# Altium PCB RelayTester.PcbDoc (part 1 of 2) (continued)
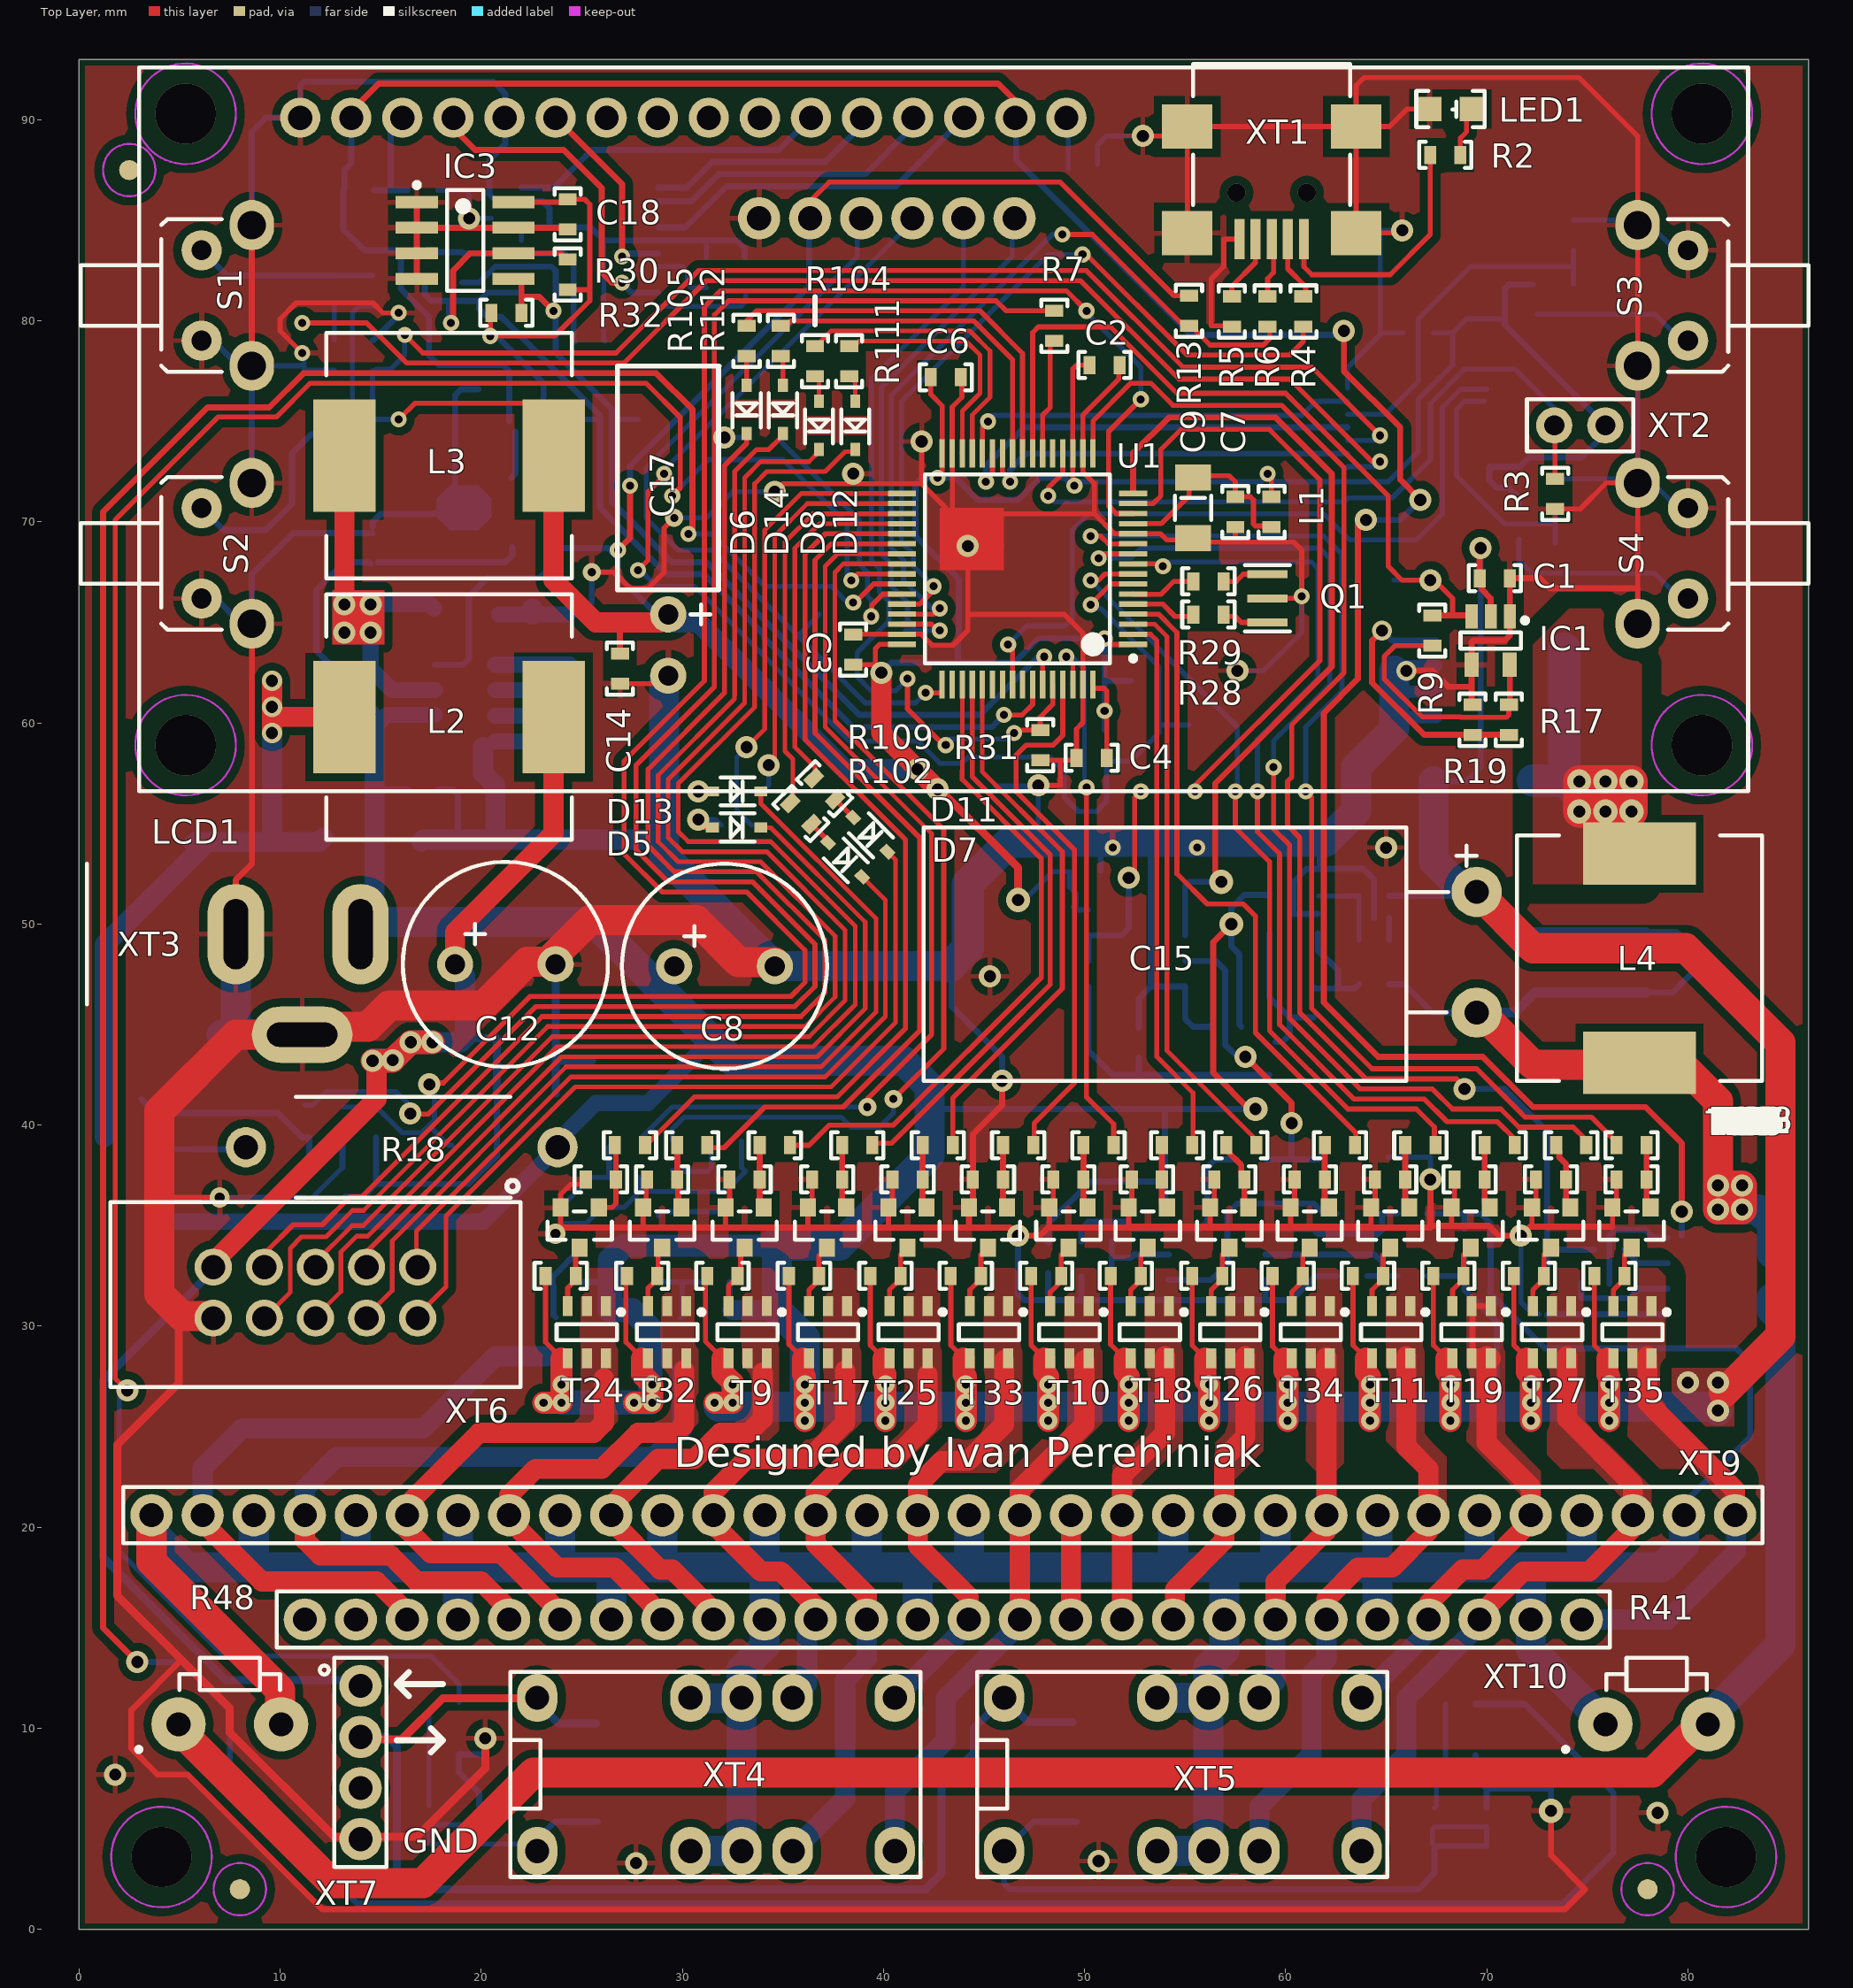
[diagram p0: Top Layer view]
## Part data (continued)
R13: library part CRCW06031K50JNTABC, "RES SMD 1K5 OHM 5% 1/10W 0603", Package / Case="0603 (1608 Metric)", Category=Resistors, Manufacturer Part Number=CRCW06031K50JNTABC
R18: library part 2WT-150OHM, "RES THT 150 OHM 5% 2W", Category=Resistors, Manufacturer Part Number=2WT-150OHM
R21 R25: library part CRCW06033K30FKTABC, "RES SMD 3.3K OHM 1% 1/10W 0603", Package / Case="0603 (1608 Metric)", Category=Resistors, Manufacturer Part Number=CRCW06033K30FKTABC
R22 R23 R26 R27: library part ERJ-8GEYJ102V, "RES SMD 1K OHM 5% 1/4W 1206", Package / Case="1206 (3216 Metric)", Category=Resistors, ComponentLink1Description=https://industrial.panasonic.com/cdbs/www-data/pdf/RDA0000/AOA0000C304.pdf, ComponentLink1URL=https://industrial.panasonic.com/cdbs/www-data/pdf/RDA0000/AOA0000C304.pdf, ComponentLink2Description=http://industrial.panasonic.com/www-cgi/jvcr13pz.cgi?E+PZ+3+AOA0005+ERJS03J101V+7+WW, ComponentLink2URL=http://industrial.panasonic.com/www-cgi/jvcr13pz.cgi?E+PZ+3+AOA0005+ERJS03J101V+7+WW, Manufacturer Part Number=ERJ-8GEYJ102V
R28: library part CRCW06030000Z0EA, "RES SMD 0 OHM JUMPER 1/10W 0603", Package / Case="0603 (1608 Metric)", Category=Resistors, Manufacturer Part Number=CRCW06030000Z0EA
R29: library part ERJ-3GEYJ221V, "RES SMD 220 OHM 5% 1/10W 0603", Package / Case="0603 (1608 Metric)", Category=Resistors, ComponentLink1Description=https://industrial.panasonic.com/cdbs/www-data/pdf/RDA0000/AOA0000C304.pdf, ComponentLink1URL=https://industrial.panasonic.com/cdbs/www-data/pdf/RDA0000/AOA0000C304.pdf, ComponentLink2Description=http://industrial.panasonic.com/www-cgi/jvcr13pz.cgi?E+PZ+3+AOA0005+ERJS03J101V+7+WW, ComponentLink2URL=http://industrial.panasonic.com/www-cgi/jvcr13pz.cgi?E+PZ+3+AOA0005+ERJS03J101V+7+WW, ComponentLink3Description=https://industrial.panasonic.com/cdbs/www-data/pdf/RDO0000/AOA0000C331.pdf, ComponentLink3URL=https://industrial.panasonic.com/cdbs/www-data/pdf/RDO0000/AOA0000C331.pdf, Manufacturer Part Number=ERJ-3GEYJ221V
R33 R34 R35 R36 R51 R52 R53 R54 R67 R68 R69 R70 R83 R84 R85 R86 R101 R106: library part RC0603JR-07150RL, "RES SMD 150 OHM 5% 1/10W 0603", Package / Case="0603 (1608 Metric)", Category=Resistors, Manufacturer Part Number=RC0603JR-07150RL
R41 R48: library part RTO050F4R700JTE3, "RES 4.7 OHM 50W 5% AXIAL", Package / Case=Axial, Category=Resistors, Manufacturer Part Number=RTO050F4R700JTE3
R55: library part ERJ-8GEYJ100V, "RES SMD 10 OHM 5% 1/4W 1206", Package / Case="1206 (3216 Metric)", Category=Resistors, ComponentLink1Description=https://industrial.panasonic.com/cdbs/www-data/pdf/RDA0000/AOA0000C304.pdf, ComponentLink1URL=https://industrial.panasonic.com/cdbs/www-data/pdf/RDA0000/AOA0000C304.pdf, ComponentLink2Description=http://industrial.panasonic.com/www-cgi/jvcr13pz.cgi?E+PZ+3+AOA0005+ERJS03J101V+7+WW, ComponentLink2URL=http://industrial.panasonic.com/www-cgi/jvcr13pz.cgi?E+PZ+3+AOA0005+ERJS03J101V+7+WW, Manufacturer Part Number=ERJ-8GEYJ100V
R61: library part ERA-3AEB203V, "RES SMD 20K OHM 0.1% 1/10W 0603", Package / Case="0603 (1608 Metric)", Category=Resistors, ComponentLink1Description=https://industrial.panasonic.com/cdbs/www-data/pdf/RDA0000/AOA0000C304.pdf, ComponentLink1URL=https://industrial.panasonic.com/cdbs/www-data/pdf/RDA0000/AOA0000C304.pdf, ComponentLink2Description=https://industrial.panasonic.com/cdbs/www-data/pdf/RDM0000/AOA0000C307.pdf, ComponentLink2URL=https://industrial.panasonic.com/cdbs/www-data/pdf/RDM0000/AOA0000C307.pdf, Manufacturer Part Number=ERA-3AEB203V
R102 R103 R104 R105 R109 R110 R111 R112: library part ERJ-3GEYJ121V, "RES SMD 120 OHM 5% 1/10W 0603", Package / Case="0603 (1608 Metric)", Category=Resistors, ComponentLink3Description=https://industrial.panasonic.com/cdbs/www-data/pdf/RDO0000/AOA0000C331.pdf, ComponentLink3URL=https://industrial.panasonic.com/cdbs/www-data/pdf/RDO0000/AOA0000C331.pdf, Manufacturer Part Number=ERJ-3GEYJ121V
R107: library part CRCW06032K00FKTABC, "RES SMD 2K OHM 1% 1/10W 0603", Package / Case="0603 (1608 Metric)", Category=Resistors, Manufacturer Part Number=CRCW06032K00FKTABC
R117: library part ERJ-3GEYJ511V, "RES SMD 510 OHM 5% 1/10W 0603", Package / Case="0603 (1608 Metric)", Category=Resistors, Manufacturer Part Number=ERJ-3GEYJ511V
S1 S2 S3 S4: "SWITCH TACTILE HOR SPST-NO 0.05A 12V", Category=Switches, Manufacturer Part Number=1301.9503
T1 T4 T5 T6 T7 T12 T13 T14 T15 T20 T21 T22 T23 T28 T29 T30 T31: library part IRLML2402TRPBF, "MOSFET N-CH 20V 1.2A SOT-23", Package / Case="TO-236-3, SC-59, SOT-23-3", Category="Discrete Semiconductor Products", Manufacturer Part Number=IRLML2402TRPBF
T2: "MOSFET N-CH 30V 11A 8-SOIC", Package / Case=SOT-23-6, Category="Discrete Semiconductor Products", Manufacturer Part Number=STS11NF30L
T3 T8 T9 T10 T11 T16 T17 T18 T19 T24 T25 T26 T27 T32 T33 T34 T35: library part BSL207SPH6327XTSA1, "MOSFET P-CH 20V 6A 6TSOP", Package / Case="SOT-23-6 Thin, TSOT-23-6", Category="Discrete Semiconductor Products", Manufacturer Part Number=BSL207SPH6327XTSA1
T36 T37: "MOSFET N-CH 30V 8.2A 6TSOP", Manufacturer Part Number=IRFTS8342TRPBF, Package / Case=SOT-23-6, Category="Discrete Semiconductor Products"
U1: "IC MCU 32BIT 256KB FLASH 64LQFP", Package / Case=64-LQFP, Category="Integrated Circuits (ICs)", Manufacturer Part Number=STM32F103RCT6
XT1: "CONN RECEPT MINI USB2.0 5POS", Category="Connectors, Interconnects", Manufacturer Part Number=UX60-MB-5ST
XT2: "SIL VERTICAL PC TAIL PIN HEADER", Manufacturer Part Number=M20-9990246, Category="Connectors, Interconnects"
XT3: "SIL VERTICAL PC TAIL PIN HEADER", Manufacturer Part Number=FC68148, Category="Connectors, Interconnects"
XT4 XT5: "REL SOCKET UNI 7.62x2.54 PITCH"
XT6: "DIL VERTICAL PC TAIL PIN HEADER", Manufacturer Part Number=67997-410HLF, Category="Connectors, Interconnects"
XT7: "CONN HEADER 4POS .100 STR TIN", Manufacturer Part Number=68000-404HLF, Category="Connectors, Interconnects"
XT8: "CONN HEADER 6POS .100 STR TIN", Manufacturer Part Number=68000-407HLF, Category="Connectors, Interconnects"
XT9 XT10: "SIL VERTICAL PC TAIL PIN HEADER", Manufacturer Part Number=M20-9990346, Category="Connectors, Interconnects"

## Free pads (board coordinates)
  round 1 smd paste+0 mask+0.5: 2(2.5,87.5) 2(8,2) 2(78,2)
  round 1 smd far side paste+0 mask+0.5: 2(2.5,87.5) 2(8,2) 2(78,2)
  round 1.6 smd far side: 2(5.7,54) 2(17.9,78.2) 2(18.55,39) 2(24.4,75.1) 2(25.9,43.2) 2(27.8,75.1) 2(36.8,65.4) 2(45.9,68.8) 2(52.3,62.1) 2(53.9,56.6) 2(54.9,52.1) 2(55.2,59.9) 2(65.4,67.1)
  round 1.4 smd far side: 2(41.3,64.6)

## Via types
v1: diameter 0.8, hole 0.4, Top Layer to Bottom Layer, tented both sides, 60 vias
v2: diameter 1.1, hole 0.6, Top Layer to Bottom Layer, tented both sides, 53 vias
v3: diameter 0.9, hole 0.4, Top Layer to Bottom Layer, tented both sides, 46 vias
v4: diameter 1.2, hole 0.6, Top Layer to Bottom Layer, tented both sides, 11 vias
v5: diameter 3, hole 3, Top Layer to Bottom Layer, 6 vias
v6: diameter 1, hole 0.6, Top Layer to Bottom Layer, tented both sides, 5 vias
v7: diameter 1.1, hole 0.6, Top Layer to Bottom Layer, tented bottom, 4 vias
v8: diameter 1, hole 0.5, Top Layer to Bottom Layer, tented both sides, 2 vias
v9: diameter 0.9, hole 0.9, Top Layer to Bottom Layer, 2 vias

## Nets (pads, with @x,y where several pads share a name; then routed paths per layer and width w, separated by ;. In a path a pad name is that pad's centre, name@x,y a point inside that pad or via, vN(x,y) a via of type N, cw(c..) or ccw(c..) an arc to the next point about the centre after c; other vN are vias at no path point)
+5V: C27.2 C30.2 C31.2 C32.1 IC5.8 IC6.5 IC7.1 LCD1.2 LCD1.15 pad.2@17.9,78.2 R113.2 R114.2 R118.2 | length 162.9
  Top Layer w0.3: LCD1.2@13.54,90.1 13.54,90.44 14.9,91.8 45.7,91.8 46.6,90.9 46.6,90.14 LCD1.15@46.56,90.1 ; v2(62.9,79.5) 62.9,77.5 65.7,74.7 65.7,72.1 v2(66.7,71.1) ; v2@64.1,70.4 63.6,69.9 63.6,62.2 61.9,60.5 61.9,46.1 64.6,43.4 69.8,43.4 72.3,40.9 77.9,40.9 79.7,39.1 79.7,35.9 v2@79.5,35.7
  Bottom Layer w0.3: LCD1.2@13.54,90.1 13.54,87.84 13.2,87.5 13.2,86.55 R118.2@13.15,86.5 13.15,84.55 14.2,83.5 16,83.5 ; C32.1@21.4,75 21.4,77.5 21.1,77.8 17.9,77.8 17.4,78.3 17.4,80.2 16,81.6 16,83.5 ; IC7.1@21.5,72.2 21.7,72.4 C32.1@21.7,74.5 ; C31.2@24.65,78.979 24.6,79.029 24.6,82.9 24.147,83.353 IC6.5@22,83.353 19.109,83.353 R114.2@19.05,83.412 R113.2@17.272,83.412 17.184,83.5 16,83.5 ; LCD1.15@46.6,89.7 46.6,88 55.3,79.3 v2@63,79.3 ; v2(64,70.1) 65.7,70.1 v2(66.7,71.1) ; C27.2@76.1,32.1 76.1,34.5 76.4,34.8 77.9,34.8 78.295,34.405 IC5.8@79,34.405 ; IC5.8@79.7,34.5 v2(79.7,35.7)
Boot0: R31.1 U1.60 XT8.2 | length 41.3
  Top Layer w0.25: v1(41.2,62.2) 41.2,60.7 v1@42.9,59 ; v1(46.5,59.5) 46.65,59.65 R31.1@47.8,59.65 47.8,60.3 48.421,60.921 U1.60@48.421,61.914
  Bottom Layer w0.25: v1(41.2,62.2) 40.6,61.6 39.4,61.6 38.7,62.3 38.7,63.5 40.275,65.075 40.275,66.05 39.8,66.525 39.8,67.7 39.4,68.1 39.4,77.1 43.98,81.68 XT8.2@43.98,84.38 ; v1(43.1,58.9) 43.1,59 43.3,59.2 46.4,59.2 46.4,59.6 v1@46.5,59.7 ; XT8.2@43.8,84.2 XT8.2@43.98,84.38 ; XT8.2@43.98,85.1 XT8.2@43.98,84.38 ; XT8.2@44.3,84.7 XT8.2@43.98,84.38
BUT1: IC4.2 U1.26 | length 19.3
  Top Layer w0.25: U1.26@45.921,73.414 45.921,72.479 46.3,72.1 v1(46.3,72)
  Bottom Layer w0.3: v1(46.3,72) 46.3,72.6 47.1,73.4 IC4.2@63.075,73.4
BUT2: IC4.4 U1.27 | length 21.1
  Top Layer w0.25: v1(45.1,72) 45.1,72.1 45.421,72.421 U1.27@45.421,73.414
  Bottom Layer w0.3: v1(45.1,72) 45.1,72.8 47,74.7 IC4.4@63.075,74.7
BUT3: IC4.6 U1.28 | length 19.9
  Top Layer w0.25: U1.28@44.921,73.414 44.921,74.721 v1(45.2,75)
  Bottom Layer w0.25: v1@45.2,75.1 45.4,75.3 60.8,75.3 61.5,76 IC4.6@63.075,76
BUT4: IC4.8 U1.56 | length 37.9
  Top Layer w0.25: v1(46.2,63.9) 46.421,63.679 U1.56@46.421,61.914
  Bottom Layer w0.25: v1(46.2,63.9) 47.125,64.825 49.025,64.825 49.4,65.2 49.4,69.6 50.2,70.4 61.9,70.4 63.2,69.1 66.5,69.1 67.8,70.4 67.8,75.7 68.7,76.6 IC4.8@70,76.6
COILSUPPLY: C12.1 C13.2 L2.2 R22.2 R23.2 R24.1 XT6.9 XT7.1 | length 90.2
  Top Layer w1: XT6.9@6.72,33.22 14.8,41.3 14.8,43 v2(14.6,43.2) ; C12.1@18.7,48 18.7,49.6 23.6,54.5 L2.2@23.6,60.3
  Top Layer w1.2: v2(14.6,43.2) v2@15.6,43.2 ; v2(15.6,43.225) v2(16.5,44.125) v2(17.575,44.125)
  Bottom Layer w0.3: C13.2@13.25,36.45 14.15,36.45 14.775,37.075 ; XT7.1@14,12.4 XT7.1@14.4,12 ; R24.1@14.775,39.4 14.775,37.075 ; R23.2@20.775,41.7 20.775,38.475 19.375,37.075 14.775,37.075
  Bottom Layer w0.4: XT6.9@6.62,32.6 6.5,32.6 1.2,27.3 1.2,18.5 7.3,12.4 XT7.1@14,12.4 ; 19.2,44.325 20.775,44.325 R23.2@20.775,41.7
  Bottom Layer w1: v2(17.575,44.125) 19,44.125 19.2,44.325 19.2,47.4 C12.1@18.8,47.8
  Bottom Layer w1.2: v2@14.625,43.225 v2(15.6,43.225) v2(16.5,44.125) v2(17.575,44.125)
COILSUPPLY1: D9.2 D10.2 XT4.10 XT5.10 XT7.2 | length 64
  Top Layer w0.3: XT7.2@14,9.57 XT7.2@14.12,9.45 ; XT4.10@22.77,11.5 XT4.10@22.787,11.517
  Top Layer w0.4: XT7.2@14.12,9.45 16.05,9.45 18.1,11.5 XT4.10@22.77,11.5
  Bottom Layer w0.3: XT4.10@22.213,10.943 XT4.10@22.787,11.517 XT4.10@22.787,11.313
  Bottom Layer w0.4: XT7.2@14,9.57 15.33,9.57 15.8,9.1 15.8,2.8 16.6,2 42.1,2 42.9,2.8 42.9,7.2 44.5,8.8 44.5,10.014 XT5.10@46.003,11.517 47.22,10.3 D10.2@49.4,10.3 ; XT4.10@22.787,11.313 23.86,10.24 D9.2@25.7,10.24
COILVOLTMEAS: pad.2@18.55,39 R24.2 R25.2 U1.14 | length 104
  Top Layer w0.25: v2@17.075,42.1 18.125,42.1 22.425,46.4 35.4,46.4 36.1,47.1 36.1,48.7 33.2,51.6 29,51.6 27.1,53.5 27.1,58.1 31.1,62.1 31.1,80.7 31.9,81.5 49.1,81.5 v1(50.1,80.5) ; U1.14@52.421,70.414 51.586,70.414 51.2,70.8 51.2,74.5 v1(52.8,76.1)
  Bottom Layer w0.25: R25.2@13.15,40.9 14.8,40.9 16.075,39.625 17.05,39.625 17.4,39.975 ; v2(17.425,42.025) 17.675,41.775 17.675,40.25 17.4,39.975 ; pad.2@18.55,39 18.375,39 17.4,39.975 ; v1(50.1,80.5) 50,80.5 52.8,77.7 v1(52.8,76.1)
CURRENTMEAS1: DA2.1 DA2.2 pad.2@54.9,52.1 U1.16 | length 40.5
  Top Layer w0.3: U1.16@52.421,71.5 52.421,73.421 54.2,75.2 59.5,75.2 62.3,72.4 62.3,62.8 56.5,57 56.5,52.4 v4(56.8,52.1)
  Bottom Layer w0.3: DA2.2@55,49.435 DA2.1@55,50.705 55,51.9 55.2,52.1 v4@56.4,52.1
CURRENTMEAS2: R107.2 R108.2 U1.17 | length 70.1
  Top Layer w0.25: U1.17@50.421,73.414 50.421,75.021 52.3,76.9 53.3,76.9 54.4,75.8 59.8,75.8 62.9,72.7 62.9,62.5 60.3,59.9 60.3,57.3 60.1,57.1 60.1,54.9 60.7,54.3 60.7,45.6 64,42.3 68.5,42.3 v2@69.2,41.6
  Bottom Layer w0.3: v2(68.9,41.8) 70.9,41.8 73,39.7 73,33.8 ; R108.2@73,32.15 73,33.8 ; R107.2@75.35,33.8 73,33.8
DM: R4.2 U1.44 | length 38
  Top Layer w0.25: U1.44@40.921,65.914 41.814,65.914 42.5,66.6 v1(42.5,66.8) ; v1@50,83.4 55.1,78.3 60.2,78.3 60.883,78.983 R4.2@60.883,79.718
  Bottom Layer w0.25: v1(42.5,66.8) 41.5,67.8 41.5,68.4 40.9,69 40.9,76 41.5,76.6 48.2,83.3 v1(49.9,83.3)
DP: R6.2 R13.1 U1.45 | length 39
  Top Layer w0.25: U1.45@40.921,65.414 42.514,65.414 v1(42.8,65.7) ; v1(48.9,84.3) 50.4,84.3 54.95,79.75 R13.1@55.2,79.75 55.3,79.75 56.25,78.8 58.9,78.8 59.2,79.1 59.2,79.623 R6.2@59.105,79.718
  Bottom Layer w0.25: v1(42.8,65.7) 42.4,65.7 41,67.1 41,68.1 40.4,68.7 40.4,76.3 48.4,84.3 v1(48.9,84.3)
GND: C1.2 C2.1 C3.1 C4.1 C5.2 C6.1 C7.1 C8.2 C9.2 C10.1 C11.1 C12.2 C13.1 C14.1 C17.2 C18.1 C20.1 C21.1 C22.1 C23.1 C24.1 C25.1 C26.1 C27.1 C28.1 C29.1 C30.1 C31.1 C32.2 D1.1 D2.1 D4.1 DA1.2 DA2.4 DA3.4 IC1.1 IC1.4 IC2.1 IC2.5 IC2.6 IC2.7 IC2.8 IC3.1 IC3.2 IC3.3 IC3.4 IC3.7 IC4.7 IC5.5 IC6.6 IC6.7 IC6.9 IC6.15 IC7.2 LCD1.1 LCD1.5 LED1.2 pad.2@25.9,43.2 pad.2@45.9,68.8 Q1.2 R3.1 R5.2 R14.2 R16.2 R19.1 R21.1 R22.1 R23.1 R25.1 R31.2 R37.1 R38.1 R39.1 R40.1 R50.2 R56.1 R57.1 R58.1 R59.1 R60.1 R71.1 R72.1 R73.1 R74.1 R91.1 R92.1 R93.1 R94.1 R99.2 R100.2 R108.1 R115.1 R116.1 R117.2 R119.1 S1.1 S1.3 S1.4 S2.1 S2.3 S2.4 S3.1 S3.3 S3.4 S4.1 S4.3 S4.4 T1.2 T2.1 T2.2 T2.3 T4.2 T5.2 T6.2 T7.2 T12.2 T13.2 T14.2 T15.2 T20.2 T21.2 T22.2 T23.2 T28.2 T29.2 T30.2 T31.2 T36.3 T37.3 U1.12 U1.18 U1.31 U1.47 U1.63 XT1.5 XT3.1 XT6.10 XT7.4 XT8.6 | length 885.2
  Top Layer w0.25: 4.5,36.9 4,36.4 v8(7,36.4) ; v1(11.1,78.4) 10,79.5 10,80.1 10.8,80.9 14.61,80.9 15.11,80.4 v1(15.9,80.4) ; v8@24,34.9 v8(23.7,34.6) 23.55,34.6 23.95,35 T20.2@23.95,35.9 23.95,36.55 24.45,37.05 R71.1@24.95,37.05 ; v3(25.5,67.5) 26.6,67.5 27.4,66.7 28.3,66.7 29.1,67.5 29.1,69.7 v3(29.6,70.2) ; C14.1@26.9,61.95 C17.2@28.75,61.95 ; 28.05,35 T28.2@28.05,35.9 28.2,36.05 28.2,37.2 R91.1@28.1,37.3 ; 32.15,35 T5.2@32.15,35.9 32.35,36.1 R38.1@32.35,37.3 ; v2(34.6,71.5) 35,71.9 41.9,71.9 ; 36.25,35 T13.2@36.25,35.9 36.45,36.1 R57.1@36.45,37.3 ; C3.1@38.6,64.414 U1.47@40.921,64.414 41.886,64.414 42.425,63.875 43.475,63.875 44.2,64.6 44.2,65.4 ; 40.25,35 T21.2@40.25,35.9 40.45,36.1 R72.1@40.45,37.3 ; v2(41.9,74) 41.9,71.9 ; 43.1,70.7 41.9,71.9 ; C6.1@43.85,77.2 43.9,77.15 43.9,76.2 43.421,75.721 U1.31@43.421,73.414 43.425,73.41 43.425,70.575 44.2,69.8 44.2,65.4 ; 44.2,70.4 50.5,70.4 ; T29.2@44.25,35.9 T29.2@44.45,36.1 ; v2(47.7,56.9) 48.8,56.9 48.8,58.15 ; R31.2@47.8,58.15 48.8,58.15 ; 48.25,35 T6.2@48.25,35.9 48.45,36.1 R39.1@48.45,37.3 ; C2.1@51.7,78 51.7,77.1 49.921,75.321 U1.18@49.921,73.414 49.921,72.479 50.5,71.9 50.5,70.4 ; 52.2,34.95 T14.2@52.2,35.9 52.35,36.05 R58.1@52.35,37.3 ; v2(52.9,89.2) XT1.5@55.109,89.2 ; XT1.5@55.409,84.069 XT1.5@55.109,84.369 XT1.5@55.109,89.2 ; C9.2@55.8,69.6 C9.2@55.4,69.2 ; 56.25,35 T22.2@56.25,35.9 56.45,36.1 R73.1@56.45,37.3 ; R5.2@57.4,79.645 R5.2@57.327,79.718 57.295,79.75 56.3,79.75 56.3,82.086 56.932,82.718 56.932,84.069 XT1.5@57.709,84.069 ; C7.1@57.5,69.75 57.5,69 ; Q1.2@59.1,66.2 60.8,66.2 60.8,68.6 60.4,69 57.5,69 ; 60.25,35 T30.2@60.25,35.9 60.45,36.1 R93.1@60.45,37.3 ; 64.25,34.95 T7.2@64.25,35.9 64.45,36.1 R40.1@64.45,37.3 ; v2(65.8,84.5) 65.669,84.369 XT1.5@63.509,84.369 XT1.5@63.509,89.669 ; LED1.2@67.149,90.536 66.036,90.536 65.169,89.669 XT1.5@63.509,89.669 ; 68.25,35 T15.2@68.25,35.9 68.4,36.05 R59.1@68.4,37.3 ; 72.25,35 T23.2@72.25,35.9 72.45,36.1 R74.1@72.45,37.3 ; R3.1@73.4,70.65 74.65,70.65 75.938,71.938 S4.3@77.51,71.938 77.51,66.7 S4.1@77.51,64.938 ; 76.25,34.95 T31.2@76.25,35.9 76.45,36.1 R94.1@76.45,37.3 ; S3.1@77.51,77.765 S3.3@77.51,84.765 77.51,89.19 74.6,92.1 63.9,92.1 63.509,91.709 XT1.5@63.509,89.669 ; S4.4@80.01,70.688 S4.4@80.506,71.184 ; 44.2,65.4 49,65.4 49.921,64.479 U1.63@49.921,61.914 49.921,60.021 49.6,59.7 49.6,58.27 C4.1@49.604,58.266 49.488,58.15 48.8,58.15 ; 50.5,70.4 51.486,69.414 U1.12@52.421,69.414 53.786,69.414 54.1,69.1 55.3,69.1 C9.2@55.4,69.2 ; XT1.5@55.109,89.2 XT1.5@55.109,89.669 XT1.5@63.509,89.669 ; C9.2@55.4,69.2 55.6,69 57.5,69
  Top Layer w0.3: 5.1,13.4 2.6,10.9 2.6,9 3.9,7.7 5.4,7.7 12.1,1 73.9,1 74.892,1.992 73.2,3.684 v4(73.2,5.9) ; XT3.1@7.8,48.3 8.071,48.729 7.8,49 7.8,52.2 8.6,53 S2.3@8.6,63.7 ; S2.3@8.096,64.938 S2.3@8.127,64.817 ; S1.3@8.596,77.765 S1.1@8.596,84.765 ; IC3.4@16.8,82.095 IC3.3@16.8,83.365 IC3.2@16.8,84.635 ; IC3.1@16.8,85.905 IC3.2@16.8,84.635 ; v8@24,34.9 46.3,34.9 v2(46.7,34.5) 47.8,34.5 48.2,34.9 67.2,34.9 ; C18.1@24.3,84.55 24.215,84.635 IC3.7@21.6,84.635 IC3.2@16.8,84.635 ; 44.25,35 T29.2@44.25,35.9 ; T29.2@44.45,36.1 R92.1@44.45,37.3 44.45,39.55 45.9,41 v2(45.9,42.2) ; 52.2,34.95 64.25,34.95 ; v6@66,62.4 66.2,62.6 67.3,62.6 68.1,61.8 69.25,61.8 ; v2(67.2,37.3) 67.2,35 68.25,35 70.1,35 70.6,34.5 v2(71.7,34.5) 72.15,34.95 76.25,34.95 ; R19.1@69.3,60.91 69.25,60.96 69.25,61.8 ; 77.51,66.7 73.14,66.7 72.64,67.2 C1.2@71.25,67.2 ; 69.25,61.8 IC1.4@69.25,62.9 69.25,64.027 69.323,64.1 70.9,64.1 71.15,64.35 IC1.1@71.15,65.3 C1.2@71.15,67.1 ; C1.2@71.15,67.1 C1.2@71.25,67.2 ; C1.2@71.15,67.1 C1.2@71.15,67.2 C1.2@71.25,67.2
  Top Layer w0.4: 4.97,30 4.97,27.17 1.9,24.1 1.9,16.6 5.1,13.4 7.5,11 7.5,9.8 12.683,4.617 16.817,4.617 20.2,8 v2@20.2,9.2
  Top Layer w1.5: XT6.10@6.5,30.5 5.1,30.5 4,31.6 4,36.4 4,40.7 7.8,44.5 XT3.1@11.1,44.5 12.7,44.5 13.1,44.9 14.375,44.9 15.425,45.95 20.125,45.95 22.3,48.125 23.325,48.125 25.4,50.2 30.7,50.2 32.8,48.1 C8.2@34.6,48.1
  Bottom Layer w0: C8.2@34.2,47.7 C8.2@34.4,47.9
  Bottom Layer w0.25: v8(7,36.4) R14.2@11.225,36.4 ; S1.3@8.596,77.765 11.2,77.765 ; v1(11.1,78.4) 11.2,78.3 11.2,77.765 ; R14.2@11.6,36.4 C13.1@13.1,37.9 ; C23.1@12.7,77.55 11.2,77.55 11.2,77.765 ; R119.1@17.85,86.5 19.2,86.5 19.4,86.3 v2(19.4,85.1) 20.5,85.1 ; 20.6,84.653 IC6.7@22,84.653 IC6.6@22,84.003 ; v8(23.7,34.6) 24.2,35.1 25.2,35.1 26,35.9 27.1,35.9 27.9,36.7 ; 26.1,84.003 26.1,79.029 C31.1@26.15,78.979 ; R37.1@27.85,37.4 27.9,37.35 27.9,36.7 ; v3(29.6,70.2) 31.2,70.2 32.5,71.5 34.5,71.5 34.75,71.75 34.6,71.6 v2(34.6,71.5) ; R116.1@31.2,83.15 31.2,83.903 ; R56.1@32.95,39.2 32.95,37.9 T12.2@33.15,37.7 32.15,36.7 27.9,36.7 ; v2(44.2,68.8) pad.2@45.9,68.8 ; v2(47.7,56.9) 47.7,54.4 48,54.1 ; R117.2@50.65,87.8 50.65,88.75 51.1,89.2 v2(52.9,89.2) ; v2(57.6,62.6) 58.9,62.6 60.8,64.5 v1(60.8,66.3) ; IC4.7@63.075,76.65 63.075,77.675 64.8,79.4 ; D4.1@65.1,38.4 67.2,38.4 v2(67.2,37.3) ; v2(65.8,84.5) 64.7,84.5 64.7,79.4 64.8,79.4 ; C21.1@65.85,79.4 64.8,79.4 ; v2@71.7,34.3 71.7,31.2 72.3,30.6 R108.1@72.6,30.6 ; C26.1@73.406,72.136 77.312,72.136 S4.3@77.51,71.938 S3.1@77.51,77.765 ; C25.1@74.306,85.009 77.266,85.009 S3.3@77.51,84.765 78.135,84.765 79.385,83.515 S3.4@80.01,83.515 ; S4.3@78.489,71.709 S4.4@79.91,70.288
  Bottom Layer w0.3: T1.2@4.9,41.6 4.9,42.2 7.15,44.45 ; S2.4@6.096,66.188 6.812,66.188 8.062,64.938 S2.3@8.596,64.938 8.596,67.396 10.65,69.45 C29.1@14.6,69.45 ; S1.4@6.096,79.015 6.685,79.015 7.935,77.765 S1.3@8.596,77.765 S2.1@8.596,71.938 ; XT3.1@7.8,48.3 XT3.1@8.596,49.096 ; S1.1@8.596,84.765 8.596,89.396 9.3,90.1 LCD1.1@11,90.1 11,91.7 11.2,91.9 20.6,91.9 21.2,91.3 21.2,90.14 LCD1.5@21.16,90.1 21.2,90.06 21.2,88.8 20.4,88 20.4,86.3 20.747,85.953 IC6.9@22,85.953 23.047,85.953 23.4,85.6 23.4,84.653 ; C13.1@13.1,37.9 R25.1@13.1,39.4 ; 14.6,69.75 14.6,70 15,70.4 17.7,70.4 18.5,71.2 ; C24.1@14.6,79.033 14.633,79.033 15.9,80.3 v1(15.9,80.4) ; C10.1@17.85,56.7 18.6,56.7 18.85,56.45 18.85,54.2 ; 18.7,71.4 C32.2@18.7,74.5 18.7,76.3 19,76.6 C30.1@19.85,76.6 ; T36.3@19.9,6.15 19.9,6.8 18.9,7.8 18.9,8.7 R99.2@18.95,8.7 20.2,8.7 v2(20.2,9.5) ; IC6.7@22,84.653 23.4,84.653 ; 24.3,65.4 24.9,65.4 25.5,66 v3(25.5,67.5) ; R115.1@33.1,83.177 33.1,83.6 32.697,84.003 IC6.15@28.8,84.003 26.1,84.003 25.45,84.653 23.4,84.653 ; XT8.6@34.02,84.926 XT8.6@34.02,85.1 ; 43.4,47.7 43.4,45.9 45.9,43.4 v2(45.9,42.2) ; C5.2@45.6,56.85 v2@47.65,56.85 ; v2(46.7,34.5) 46.7,31.6 47,31.3 48.1,31.3 ; C20.1@48.2,32.65 48.2,31.4 48.1,31.3 ; R60.1@49.85,32.5 49.85,31.3 ; C22.1@50.8,52.65 50.8,53.9 51,54.1 ; R21.1@52.7,44.85 52.7,46.3 53.295,46.895 DA2.4@55,46.895 55,45.3 55.4,44.9 C11.1@56.25,44.9 ; 53,54.1 53.3,53.8 53.3,46.9 ; 58.9,31.3 49.85,31.3 ; DA3.4@59,32.295 59,31.3 60.3,31.3 61.5,32.5 R50.2@62.55,32.5 ; DA1.2@61.6,50.5 60.4,50.5 60.4,52.1 61.05,52.75 61.7,52.75 ; 62,54.1 61.7,53.8 61.7,52.75 ; 64.4,50.3 64.4,52.2 63.85,52.75 61.7,52.75 ; R16.2@65.15,49.2 65.15,50.3 ; R100.2@69.451,8.669 69.451,7.549 70,7 ; T37.3@70,6.05 70,7 ; R108.1@73,30.55 73.04,30.59 74.749,30.59 74.755,30.595 IC5.5@79,30.595 ; v4(73.2,5.9) 73.2,7 70,7 ; 48.1,31.3 49.85,31.3
  Bottom Layer w0.4: R23.1@23.7,41.575 23.7,43.2 ; C12.2@23.7,48 23.7,43.2 ; pad.2@25.5,43.2 23.7,43.2
  Bottom Layer w0.6: 65.4,59.7 65.995,60.295 T2.1@67.5,60.295 ; 65.4,61.5 65.465,61.565 T2.2@67.5,61.565 ; 65.4,62.6 65.635,62.835 T2.3@67.5,62.835
  Bottom Layer w0.8: 20.7,59.09 24.4,59.09 ; 20.7,60.36 24.4,60.36 ; 20.7,61.63 24.4,61.63 ; 20.7,62.9 24.4,62.9 ; 20.9,65.4 D1.1@22.54,65.4 24.3,65.4
  Bottom Layer w1: D2.1@17.04,54.1 17.14,54.2 D2.1@17.34,54.2 18.85,54.2 20.7,54.2 ; 20.1,58.8 20.1,57.5 20.7,56.9 20.7,54.2 ; D1.1@22.54,65.4 D1.1@22.54,65.7 ; 28.5,54.2 20.7,54.2
  Bottom Layer w1.5: 7.15,44.45 7.1,44.5 7.5,44.5 ; XT3.1@7.8,48.3 7.8,44.8 7.5,44.5 ; XT3.1@11.1,43.9 10.5,44.5 7.5,44.5 ; C17.2@29.1,62 29.1,53.4 C8.2@34.6,47.9 43.3,47.9 ; 48,54.1 51,54.1 53,54.1 62,54.1 63.5,55.6 63.5,57.8 65.4,59.7 65.4,61.5 65.4,62.6
  Bottom Layer w1.6: 43.3,47.9 44.2,48.8 44.2,52 46.3,54.1 48,54.1
  other v1: 51.4,53.8 55.6,53.8
  other v2: 27.7,3.3 50.7,3.4 78.5,5.8 1.8,7.7 45.3,47.4 65,53.8 38.5,72.4
  other v6: 66,62.6
I2C_SCL: IC3.6 IC6.2 pad.2@24.4,75.1 R30.1 R113.1 U1.58 | length 57.5
  Top Layer w0.25: IC3.6@21.6,83.365 23.985,83.365 R30.1@24.3,83.05 ; v1(46,60.4) 46.9,60.4 47.421,60.921 U1.58@47.421,61.914
  Top Layer w0.3: v1(18.5,79.9) 18.6,80 18.6,82.5 19.465,83.365 IC3.6@21.6,83.365
  Bottom Layer w0.25: pad.2@24.4,75.1 25.8,75.1
  Bottom Layer w0.3: R113.1@17.272,81.912 17.2,81.84 17.2,81.3 17.5,81 18.4,81 ; v1(18.5,79.9) 18.4,80 18.4,81 ; IC6.2@22,81.403 20.303,81.403 19.9,81 ; v1@45.75,60.15 45.4,59.8 38.5,59.8 34.075,64.225 34.075,64.397 31.072,67.4 29.2,67.4 25.9,70.7 25.9,75.3 21,80.2 20.3,80.2 19.9,80.6 19.9,81 ; 18.4,81 19.9,81
I2C_SDA: IC3.5 IC6.4 pad.2@27.8,75.1 R32.1 R114.1 U1.59 | length 51.6
  Top Layer w0.25: U1.59@47.921,61.914 47.921,63.221 v1(48,63.3)
  Top Layer w0.3: IC3.5@21.6,82.095 21.905,82.095 22,82 22,81.2 ; R32.1@22,80.25 22,81.2 ; v1(23.6,80.5) 22.9,81.2 22,81.2
  Bottom Layer w0.25: 26.5,75.1 pad.2@27.8,75.1
  Bottom Layer w0.3: R114.1@19.05,81.912 19.912,81.912 20.703,82.703 IC6.4@22,82.703 23.497,82.703 23.7,82.5 23.7,78.4 26.5,75.6 26.5,75.1 26.5,71 29.5,68 31.2,68 38.8,60.4 44.8,60.4 47.7,63.3 v1(48,63.3)
JTCK-SWCLK: pad.2@36.8,65.4 U1.49 XT8.4 | length 39.2
  Top Layer w0.25: v1(42.1,61.5) U1.49@42.9,61.5
  Bottom Layer w0.25: pad.2@36.8,65.4 35.8,64.4 35.7,64.4 ; XT8.4@38.7,84.8 38.7,83.2 28.2,72.7 28.2,70.2 29.8,68.6 31.5,68.6 35.7,64.4 ; v1(42.1,61.5) 41.6,61 39.1,61 35.7,64.4
JTDI: U1.50
JTDO-SWO: U1.55